# Altium PCB esp_ethernet_can_ir_relay.PcbDoc (part 1 of 2) (continued)
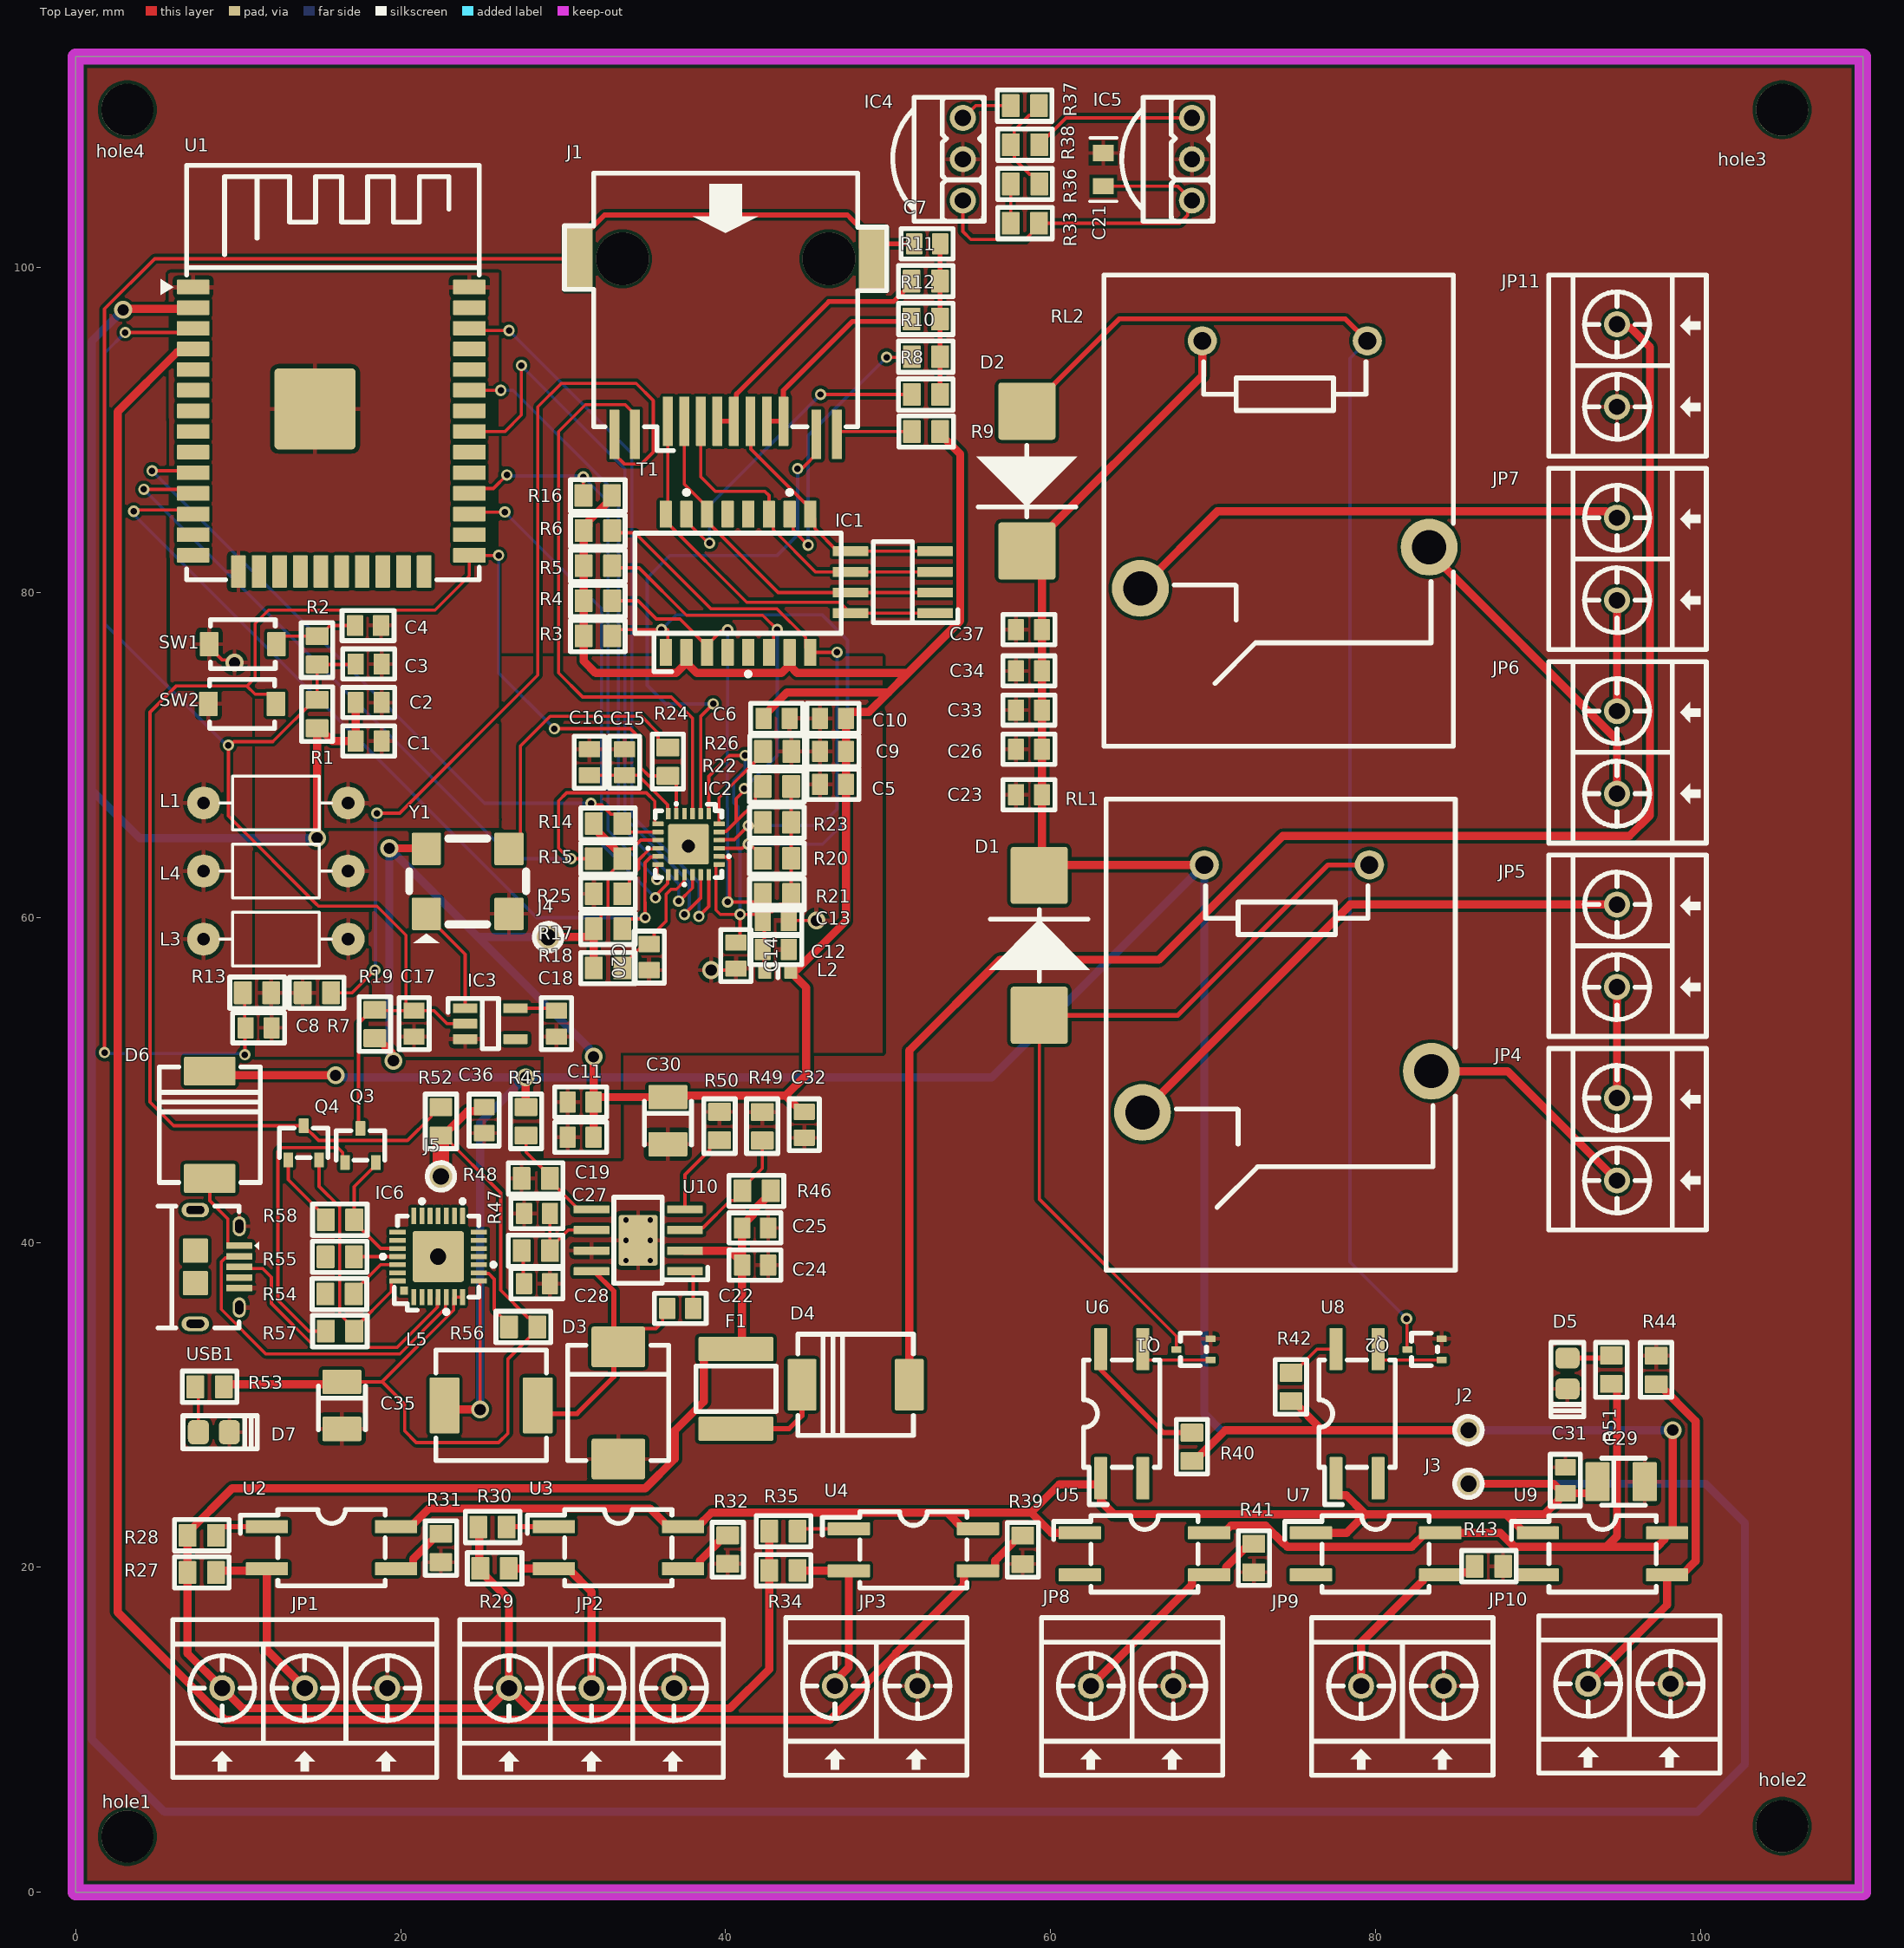
[diagram p0: Top Layer view]
## Footprints (in the part's own frame and the unit in brackets; to place one, negate y for a bottom-side part, rotate by r counter-clockwise, add the part's x,y. Pads: shape width x height; smd on the part's side, far side on the other; paste and mask are expansions set on the pad)
"2# B560C" [mm] "Molded Diode, 2-Leads, Body 6.85x5.90mm, IPC Medium Density"
  rrect10% 2.5x3.3 smd mask+0.15: 1(-3.45,0) 2(3.45,0)
  silkscreen extent -3.55,-3.11 3.56,3.11, body extent -3.77,-3.11 3.77,3.11, height 2.5
"6# DTC143ZKAT146-E" [mm] "SOT-346 SMT3"
  rrect10% 0.6x0.9 smd mask+0.05: 1(0.95,-1.05) 2(-0.95,-1.05) 3(0,1.05)
  silkscreen extent -1.5,-0.9 1.5,0.9, body extent -1.45,-1.4 1.45,1.4, height 1.2
"13# MF-SMDF050" [mm] "style1"
  rrect10% 1.5x4.6 smd mask+0.05: 1(-2.45,0) 2(2.45,0)
  silkscreen extent -1.4,-2.47 1.4,2.47, body extent -2.7,-2.48 2.7,2.43, height 1.05
"21# TPS54360" [mm] "R-PDSO-G8,V Input, 3.5-A, Step-Down DC/DC Converter"
  rrect10% 0.5x2.2 smd mask+0.07: 1(-1.905,-2.875) 2(-0.635,-2.875) 3(0.635,-2.875) 4(1.905,-2.875) 5(1.905,2.875) 6(0.635,2.875) 7(-0.635,2.875) 8(-1.905,2.875)
  round 0.33 hole 0.33 mask+0.2: 9(-1.25,-0.75) 9(-1.25,0.75) 9(0,0.75) 9(0,-0.75) 9(1.25,-0.75) 9(1.25,0.75)
  rrect10% 3.1x2.4 smd mask+0: 9(0,0)
  silkscreen extent -2.65,-4.27 2.65,1.5, body extent -2.5,-3.1 2.5,3.1, height 1.53
"30# SK56L-TPMSCT-ND" [mil] "SK56L-TPMSCT-ND(DO-214AB)"
  rrect10% 70x125 smd: 1(-130,0) 2(130,0)
  silkscreen extent -140,-122 140,122, body extent -156,-116 157,116, height 87
ASPI-7318-8R2M-TCT-ND [mm] "8.2µH Shielded Wirewound Inductor 4A 68 mOhm Max Nonstandard"
  rrect10% 1.85x3.45 smd: 1(-2.875,0) 2(2.875,0)
  silkscreen extent -3.4,-3.4 3.4,3.4, body extent -3.65,-3.4 3.65,3.4, height 3
"BD5228G -5SSOP" [mm] "IC DETECTOR VOLT 2.8V ODRN 5SSOP"
  rrect10% 0.6x1.5 smd: 1(-0.95,-1.55) 2(0,-1.55) 3(0.95,-1.55) 4(0.95,1.55) 5(-0.95,1.55)
  silkscreen extent -1.55,-2.6 1.55,0.5, body extent -1.5,-1.4 1.45,1.4, height 1.1
"Button 3x4mm" [mm] "SMD 3x4mm"
  rrect10% 1.143x1.5 smd: 1(-2.075,0) 2(2.075,0)
  silkscreen extent -2,-1.5 2,1.5, body extent -2.25,-1.55 2.25,1.55, height 2.05
C0805 [mm] "Chip Resistor; Body 2.0 x 1.3 mm (LxW typ)"
  rect 1x1.27 smd: 1(-1.016,0) 2(1.016,0)
  silkscreen extent -1.96,-0.84 1.96,0.84, body extent -1,-0.62 1,0.63, height 0.78
"CAP TANT CASE B SMD" [mm]
  rrect10% 1.5x2.4 smd mask+0.1: 1(-1.45,0) 2(1.45,0)
  silkscreen extent -1.2,-1.45 1.5,1.45, body extent -1.75,-1.4 1.75,1.4, height 2
CAP_CERA_C2012(CC0805INCH) [mm] "Chip Capacitor, 2-Leads, Body 2.0x1.3mm, IPC Medium Density"
  rrect10% 1x1.3 smd: 1(-0.8,0) 2(0.8,0)
  silkscreen extent -1.6,-0.93 1.6,0.93, body extent -1,-0.6 1,0.6, height 0.95
CP2102-QFN28 [mm] "QFN28 5x5 pitch 0.5"
  rrect10% 0.3x1 smd mask+0.05: 1(-1.5,-2.5) 2(-1,-2.5) 3(-0.5,-2.5) 4(0,-2.5) 5(0.5,-2.5) 6(1,-2.5) 7(1.5,-2.5) 15(1.5,2.5) 16(1,2.5) 17(0.5,2.5) 18(0,2.5) 19(-0.5,2.5) 20(-1,2.5) 21(-1.5,2.5)
  rrect10% 1x0.3 smd mask+0.05: 8(2.5,-1.5) 9(2.5,-1) 10(2.5,-0.5) 11(2.5,0) 12(2.5,0.5) 13(2.5,1) 14(2.5,1.5) 22(-2.5,1.5) 23(-2.5,1) 24(-2.5,0.5) 25(-2.5,0) 26(-2.5,-0.5) 27(-2.5,-1) 28(-2.5,-1.5)
  round 1.4 hole 1 mask+0.2: 29(0,0)
  rrect10% 3.15x3.15 smd mask+0.05: 29(0,0)
  rrect10% 0.5x0.5 smd mask+0.05: ""(-2.1,-2.1)
  silkscreen extent -3.5,-3.5 3.5,3.5, body extent -2.5,-2.5 2.5,2.5, height 1
CR_ASV_50.000MHZ [mm] "50MHz XO (Standard) HCMOS Oscillator 3.3V Enable/Disable 4-SMD, No Lead"
  rrect10% 1.8x2 smd: 1(-2.54,-2) 2(2.54,-2) 3(2.54,2) 4(-2.54,2)
  silkscreen extent -3.6,-3.8 3.6,2.64, body extent -3.5,-2.5 3.5,2.58, height 1.8
DOMINO_OSTTC_2P [mm] "15A PIN TO PIN 5.08MM ED2609-ND"
  round 1.6 hole 1 mask+0.1: 1(-2.54,0) 2(2.54,0)
  silkscreen extent -5.58,-4.2 5.58,5.5, body extent -5.42,-3.75 5.34,5.25, height 12.5
DOMINO_OSTTC_3P [mm] "15A PIN TO PIN 5.08MM ED2610-ND"
  round 1.6 hole 1 mask+0.1: 1(-5.08,0) 2(0,0) 3(5.08,0)
  silkscreen extent -8.12,-4.2 8.12,5.5, body extent -7.96,-3.75 7.88,5.25, height 12.5
"ESP32 WROOM" [mm] "ESP32 WROOM"
  rrect10% 2x0.9 smd: 1(0,0) 2(0,-1.27) 3(0,-2.54) 4(0,-3.81) 5(0,-5.08) 6(0,-6.35) 7(0,-7.62) 8(0,-8.89) 9(0,-10.16) 10(0,-11.43) 11(0,-12.7) 12(0,-13.97) 13(0,-15.24) 14(0,-16.51) 25(17,-16.51) 26(17,-15.24) 27(17,-13.97) 28(17,-12.7) 29(17,-11.43) 30(17,-10.16) 31(17,-8.89) 32(17,-7.62) 33(17,-6.35) 34(17,-5.08) 35(17,-3.81) 36(17,-2.54) 37(17,-1.27) 38(17,0)
  rrect10% 0.9x2 smd: 15(2.785,-17.51) 16(4.055,-17.51) 17(5.325,-17.51) 18(6.595,-17.51) 19(7.865,-17.51) 20(9.135,-17.51) 21(10.405,-17.51) 22(11.675,-17.51) 23(12.945,-17.51) 24(14.215,-17.51)
  rrect10% 5x5 smd: 39(7.5,-7.5)
  silkscreen extent -2,-18.02 17.6,7.49, body extent -0.54,-18.02 17.54,7.52, height 3
HX1198FNL [mm] "PULSE XFMR 1CT:1CT TX 1CT:1CT RX"
  rrect10% 0.76x1.65 smd mask+0.1: 1(0,0) 2(1.27,0) 3(2.54,0) 4(3.81,0) 5(5.08,0) 6(6.35,0) 7(7.62,0) 8(8.89,0) 9(8.89,8.51) 10(7.62,8.51) 11(6.35,8.51) 12(5.08,8.51) 13(3.81,8.51) 14(2.54,8.51) 15(1.27,8.51) 16(0,8.51)
  silkscreen extent -1.91,-1.36 10.79,9.87, body extent -1.92,-0.39 10.78,8.93, height 5.95
L/0.4 [mil] "Inductor , 2 Pin, L 350mil, W 150 mil"
  round 80 hole 31: 1(0,0) 2(350,0)
  silkscreen extent 40,-65 310,65
"LAN8720A 24QFN" [mm] "IC TXRX ETHERNET 24QFN"
  rrect10% 0.28x0.69 smd paste+0 mask+0.05: 1(0,0) 2(0.5,0) 3(1,0) 4(1.5,0) 5(2,0) 6(2.5,0) 13(2.5,3.765) 14(2,3.765) 15(1.5,3.765) 16(1,3.765) 17(0.5,3.765) 18(0,3.765)
  rrect10% 0.69x0.28 smd mask+0.05: 7(3.133,0.633) 8(3.133,1.132) 9(3.133,1.633) 10(3.133,2.133) 11(3.133,2.633) 12(3.133,3.133) 19(-0.633,3.133) 20(-0.633,2.633) 21(-0.633,2.133) 22(-0.633,1.633) 23(-0.633,1.132) 24(-0.633,0.633)
  rrect10% 2.5x2.5 smd: 25(1.25,1.882)
  silkscreen extent -1.25,-0.62 3.75,4.38, body extent -0.76,-0.13 3.26,3.89, height 0.9
"Led 0805G" [mm] "Chip LED; Green; Body 2.0 x 1.3 mm (LxW typ)"
  rrect50% 1.3x1.5 smd: 1(-0.95,0) 2(0.95,0)
  silkscreen extent -1.91,-1.02 2.67,1.02, body extent -1.04,-0.62 0.98,0.62, height 1.1
"MCH3209-TL-E  SOT-323" [mm] "TRANS NPN 30V 3A MCPH3  SOT-323"
  rrect10% 0.4x0.6 smd mask+0.1: 1(-0.65,-1.05) 2(0.65,-1.05) 3(0,1.05)
  silkscreen extent -1,-0.8 1.1,0.8, body extent -1.05,-1.15 1.05,1.15, height 0.9
MPZ1608B471 [mm] "FERRITE BEAD 470 OHM 0603 1LN"
  rrect5% 0.8x0.8 smd mask+0.1: 1(-0.8,0) 2(0.8,0)
  silkscreen extent 0,-0.35 0,0.35, body extent -0.8,-0.4 0.8,0.4, height 0.6
"Relay T9GV1L14-5 30A 5V" [mm] "Relay T9GV1L14-5 30A 5V CODE FORM C"
  round 1.8 hole 1.1: 1(5.08,-11.43) 2(-5.08,-11.43)
  round 3.5 hole 2.1: 3(-8.89,1.27) 4(8.89,3.81)
  silkscreen extent -10.37,-15.47 11.13,13.53, body extent -10.37,-15.47 11.13,13.53, height 15.7
"Res 0805 SMD" [mm] "Reflow Soldering"
  rrect10% 1.1x1.4 smd mask+0.1: 1(-0.875,0) 2(0.875,0)
  silkscreen extent -1.69,-0.97 1.67,0.96, body extent -1,-0.62 1,0.63, height 0.62
RJ45-A121555CT-ND [mm] "CONN MOD JACK 8P8C R/A SHIELDED"
  rrect10% 0.61x3.05 smd mask+0.1: 1(0,0) 2(-1.016,0) 3(-2.032,0) 4(-3.048,0) 5(-4.064,0) 6(-5.08,0) 7(-6.096,0) 8(-7.112,0) A1(2.024,0.8) A2(-10.406,0.8) K1(3.294,0.8) K2(-9.136,0.8)
  rrect10% 1.7x3.9 smd: 9(-12.606,-10) 10(5.494,-10)
  silkscreen extent -13.48,-15.28 6.36,1.8, body extent -13.06,-15.28 5.8,1.25, height 14.62
"Screw 3.0"#1 [mm] "Hole 3.2mm outline 8mm"
  round 3.2 hole 3.2 mask+0.1: 1(0,0)
"Screw 3.0"#2 [mm] "Hole 3.2mm outline 8mm"
  round 3.2 hole 3.2 mask+0.1: 1(-0.762,-1.905)
"SLVU2.8-4.TBT - 8S0" [mm] "TVS DIODE 2.8V 15V 8SO"
  rrect10% 0.6x2.2 smd mask+0.1: 1(-1.905,-2.6) 2(-0.635,-2.6) 3(0.635,-2.6) 4(1.905,-2.6) 5(1.905,2.6) 6(0.635,2.6) 7(-0.635,2.6) 8(-1.905,2.6)
  silkscreen extent -2.5,-4 2.5,1.2, body extent -2.6,-3 2.4,3, height 3.23
SSC53L-E3/57T [mm] "DIODE SCHOTTKY 30V 5A DO214AB"
  rrect10% 3.52x3.52 smd mask+0.1: 1(-4.305,0) 2(4.305,0)
  silkscreen extent -2.2,-3.1 2.2,3.1, body extent -4.07,-3.05 4.06,3.05, height 2.4
"TEST POINT 1mm" [mm]
  round 1.5 hole 1 mask+0.1: 1(0,0)
  silkscreen extent -0.85,-0.85 0.85,0.85
TPC817-4SOP [mm] "OPTOISO 5KV TRANS 4SOP"
  rrect10% 2.6x0.8 smd: 1(-3.975,1.295) 2(-3.975,-1.295) 3(3.975,-1.295) 4(3.975,1.295)
  silkscreen extent -5.6,-2.35 3.3,2.35, body extent -3.5,-1.92 3.5,1.93, height 2
TSOP1838 [mm] "Connector DIP, 3Pin_2.54mm"
  round 1.6 hole 1 mask+0.1: 1(2.54,0) 2(0,0) 3(-2.54,0)
  silkscreen extent -3.81,-4.32 3.81,1.3, body extent -3,-4.05 3,1.55, height 8.95
"USB_MICRO_B - Digikey" [mm] "USB_MICRO_B, 609-4618-1-ND"
  rrect10% 0.4x1.6 smd: 1(0,0) 2(0.65,0) 3(1.3,0) 4(1.95,0) 5(2.6,0)
  oval 1.25x0.8 hole 0.85 slot 0.5 at 90 deg: 6(-1.2,0) 7(3.8,0)
  oval 0.9x1.7 hole 0.5 slot 1.1 at 90 deg: 8(-2.2,-2.7) 9(4.8,-2.7)
  rrect10% 1.5x1.55 smd: ""(0.3,-2.7) ""(2.3,-2.7)
  silkscreen extent -2.45,-5 5.05,1.22, body extent -2.45,-5 5.05,0.29, height 2.61

## Part data
C1: library part 0.1uF/50V/C0603/10%, "22µF ±20% 25V Ceramic Capacitor X5R 0805 (2012 Metric)", Manufacturer="Tariff Applied", ComponentLink1Description=http://www.murata.com/~/media/webrenewal/support/library/catalog/products/capacitor/mlcc/c02e.ashx, ComponentLink1URL=http://www.murata.com/~/media/webrenewal/support/library/catalog/products/capacitor/mlcc/c02e.ashx, Digikey=1276-2908-1-ND
C2 C3 C4 C37: library part 0.1uF/50V/C0603/10%, "0.1µF ±10% 25V Ceramic Capacitor X7R 0805 (2012 Metric)", ComponentLink1Description=http://www.murata.com/~/media/webrenewal/support/library/catalog/products/capacitor/mlcc/c02e.ashx, ComponentLink1URL=http://www.murata.com/~/media/webrenewal/support/library/catalog/products/capacitor/mlcc/c02e.ashx, Digikey=478-3755-1-ND
C5 C6 C11 C13 C14 C18 C19: library part "CAP CERA 0805", "0.1µF ±10% 25V Ceramic Capacitor X7R 0805 (2012 Metric)", Digikey=478-3755-1-ND
C7: library part "CAP CERA 0805", "1000pF ±10% 25V Ceramic Capacitor X7R 0805 (2012 Metric)", Manufacturrer="Wurth Electronics Inc.", Digikey=732-8050-1-ND
C8: library part "CAP CERA 0805", "4700pF ±10% 25V Ceramic Capacitor X7R 0805 (2012 Metric)", Manufacturrer=KEMET, Digikey=399-14606-1-ND
C9 C10 C12: library part "CAP CERA 0805", "22µF ±20% 25V Ceramic Capacitor X5R 0805 (2012 Metric)", Digikey=1276-2908-1-ND
C15 C17 C20: library part "CAP CERA 0805", "4.7µF ±10% 25V Ceramic Capacitor X5R 0805 (2012 Metric)", Digikey=399-5505-1-ND
C16: library part "CAP CERA 0805", "1nF=1000pF ±10% 25V Ceramic Capacitor X7R 0805 (2012 Metric)", Digikey=399-7994-1-ND
C21: "Polarized Capacitor (Radial)", LatestRevisionDate=17-Jul-2002, LatestRevisionNote="Re-released for DXP Platform.", PackageDescription="Polarized Capacitor (Radial); 2 Leads", PackageReference=RB7.6-15, Published=8-Jun-2000, Publisher="Altium Limited"
C22 C31 C32 C33 C34: library part 0.1uF/50V/C0603/10%, "0.1µF ±10% 25V Ceramic Capacitor X7R 0805 (2012 Metric)", Manufacturer="AVX Corporation", ComponentLink1Description=http://www.murata.com/~/media/webrenewal/support/library/catalog/products/capacitor/mlcc/c02e.ashx, ComponentLink1URL=http://www.murata.com/~/media/webrenewal/support/library/catalog/products/capacitor/mlcc/c02e.ashx, Digikey=478-3755-1-ND
C23 C26: library part 0.1uF/50V/C0603/10%, "47µF ±20% 10V Ceramic Capacitor X5R 0805 (2012 Metric)", Manufacturer=Murata, ComponentLink1Description=http://www.murata.com/~/media/webrenewal/support/library/catalog/products/capacitor/mlcc/c02e.ashx, ComponentLink1URL=http://www.murata.com/~/media/webrenewal/support/library/catalog/products/capacitor/mlcc/c02e.ashx, Digikey=490-9961-1-ND
C24 C25: library part 1uF/50V/C0603/10%, "2.2µF ±10% 50V Ceramic Capacitor JB 0805 (2012 Metric)", Manufacturer=TDK, ComponentLink1Description=http://www.samsungsem.com/kr/support/product-search/mlcc/CL21B105KBFNNNE.jsp, ComponentLink1URL=http://www.samsungsem.com/kr/support/product-search/mlcc/CL21B105KBFNNNE.jsp, Digikey=445-11501-1-ND
C27: library part 56pF/50V/C0603/5%, "39pF ±10% 50V Ceramic Capacitor C0G, NP0 0805 (2012 Metric)", Manufacturer=KEMET, Digikey=399-9232-1-ND
C28: library part 10nF/50V/C0603/10%, "6800pF ±10% 25V Ceramic Capacitor X7R 0805 (2012 Metric)", Manufacturer="Wurth Electronics Inc.", ComponentLink1Description=http://www.murata.com/~/media/webrenewal/support/library/catalog/products/capacitor/mlcc/c02e.ashx, ComponentLink1URL=http://www.murata.com/~/media/webrenewal/support/library/catalog/products/capacitor/mlcc/c02e.ashx, Digikey=732-8054-1-ND
C29 C30 C35: library part TAJB106M025RNJ, "10µF Molded Tantalum Capacitors 25V 1411 (3528 Metric) 3 Ohm", Manufacturer=KEMET, Digikey=399-5125-1-ND
C36: library part 0.1uF/50V/C0603/10%, "0.1µF ±10% 25V Ceramic Capacitor X7R 0805 (2012 Metric)", Manufacturer=KEMET, ComponentLink1Description=http://www.murata.com/~/media/webrenewal/support/library/catalog/products/capacitor/mlcc/c02e.ashx, ComponentLink1URL=http://www.murata.com/~/media/webrenewal/support/library/catalog/products/capacitor/mlcc/c02e.ashx, Digikey=478-3755-1-ND
D1 D2: library part 10A10, "DIODE SCHOTTKY 30V 5A DO214AB", ComponentLink1Description=Datasheet, ComponentLink1URL="D:\Dropbox\Datasheets\Diodes and Rectifiers\Diodes\10AXX.pdf", Digikey=SSC53L-E3/57TGICT-ND
D3: library part 2#B560C-13-F, "DIODE SCHOTTKY 60V 5A SMC", Digikey=B560C-FDICT-ND
D4 D6: library part "30# SK56L-TP", "DIODE SCHOTTKY 60V 5A DO214AB", ComponentLink1Description=http://www.mccsemi.com/up_pdf/SK52L-SK510L(DO-214AB).PDF, ComponentLink1URL=http://www.mccsemi.com/up_pdf/SK52L-SK510L(DO-214AB).PDF, Digikey=SK56L-TPMSCT-ND
D5 D7: library part "LED GREEN 0603", "Green 571nm LED Indication - Discrete 2V 0805 (2012 Metric)", ComponentLink1Description=http://optoelectronics.liteon.com/upload/download/DS22-2000-074/S_110_LTST-C190KGKT.pdf, ComponentLink1URL=http://optoelectronics.liteon.com/upload/download/DS22-2000-074/S_110_LTST-C190KGKT.pdf, Digikey=160-1426-1-ND
F1: library part 13#MF-SMDF050-2, "PTC RESET FUSE 60V 550MA 2018", Digikey=MF-SMDF050-2CT-ND
IC1: library part SLVU2.8-4.TBT, "TVS DIODE 2.8V 15V 8SO, EPD TVS Diode Array For ESD and Latch-Up Protection", Digikey=SLVU2.8-4CT-ND
IC2: "IC TXRX ETHERNET 24QFN,  2/2 Transceiver Full RMII 24-QFN (4x4)", Digikey=LAN8720A-CP-CT-ND
IC3: library part BD5228G-5SSOP, "IC DETECTOR VOLT 2.8V ODRN 5SSOP", Digikey=BD5228GCT-ND
IC6: library part CP2102, "USB Bridge, USB to UART USB 2.0 UART Interface 28-QFN (5x5)", Digikey=336-3694-ND, VNBuy=https://banlinhkien.vn/goods-2607-cp2102-qfn28.html
J1: library part RJ45-2-6339191-1, "Jack Modular Connector 8p8c (RJ45, Ethernet) 90° Angle (Right) Shielded, EMI Finger Cat5", Digikey=A121555CT-ND
J2 J3 J4 J5: library part "PAD 1mm", "TPoint"
JP1 JP2: library part Con3, "3 Position Wire to Board Terminal Block Horizontal with Board 0.200\" (5.08mm) Through Hole", Digikey=ED2610-ND
JP3 JP4 JP5 JP6 JP7 JP8 JP9 JP10 JP11: library part Con2, "2 Position Wire to Board Terminal Block Horizontal with Board 0.200\" (5.08mm) Through Hole", Digikey=ED2609-ND
L1 L3 L4: library part L1, "Inductor"
L2: library part L1, "FERRITE BEAD 470 OHM 0603 1LN", Digikey=445-5218-1-ND
L5: library part Inductor, "8.2µH Shielded Wirewound Inductor 4A 68 mOhm Max Nonstandard", Digikey=ASPI-7318-8R2M-TCT-ND
Q1 Q2: library part 2SC1815, "Bipolar (BJT) Transistor NPN 30V 3A 450MHz 800mW Surface Mount 3-MCPH", ComponentLink1Description=Datasheet, ComponentLink1URL="D:\Dropbox\Datasheets\Transistors\P Channel Bipolar\2SC1815.pdf", Digikey=MCH3209-TL-EOSCT-ND
Q3 Q4: library part 6#DTC143ZKAT146, "Pre-Biased Bipolar Transistor (BJT) NPN - Pre-Biased 50V 100mA 250MHz 200mW Surface Mount SMT3", Digikey=DTC143ZKAT146CT-ND
R1 R52: library part 200K/R0603/1%, "10 kOhms ±1% 0.125W, 1/8W Chip Resistor 0805 (2012 Metric) Thick Film", Operating Temperature="-55°C ~ 155°C", Package / Case="0603 (1608 Metric)", Power (Watts)="0.1W, 1/10W", Supplier Device Package=0603, Category=Resistors, ComponentLink1Description=http://www.yageo.com/documents/recent/PYu-RC_Group_51_RoHS_L_7.pdf, ComponentLink1URL=http://www.yageo.com/documents/recent/PYu-RC_Group_51_RoHS_L_7.pdf, Digikey=A126332CT-ND, Failure Rate=-, Features="Moisture Resistant", Height - Seated (Max)="0.022\" (0.55mm)", Part Status=Active, RoHS="RoHS Compliant", Size / Dimension="0.063\" L x 0.031\" W (1.60mm x 0.80mm)"
R2: library part 200K/R0603/1%, "0 Ohms Jumper 0.125W, 1/8W Chip Resistor 0805 (2012 Metric) Automotive AEC-Q200 Thick Film", ComponentLink1Description=http://www.yageo.com/documents/recent/PYu-RC_Group_51_RoHS_L_7.pdf, ComponentLink1URL=http://www.yageo.com/documents/recent/PYu-RC_Group_51_RoHS_L_7.pdf, Digikey=541-0.0ACT-ND, Failure Rate=-, Height - Seated (Max)="0.022\" (0.55mm)", Part Status=Active
R3 R4 R5 R6 R20 R21 R22 R23: library part RES-0805, "49.9 Ohms ±1% 0.15W Chip Resistor 0805 (2012 Metric) Military Thick Film", ComponentLink1Description=http://www.yageo.com/documents/recent/PYu-RC_Group_51_RoHS_L_8.pdf, ComponentLink1URL=http://www.yageo.com/documents/recent/PYu-RC_Group_51_RoHS_L_8.pdf, Digikey=1135-1012-1-ND
R7 R8 R9 R10 R11 R12: library part RES-0805, "75 Ohms ±1% 0.125W, 1/8W Chip Resistor 0805 (2012 Metric) Automotive AEC-Q200 Thick Film", ComponentLink1Description=http://www.yageo.com/documents/recent/PYu-RC_Group_51_RoHS_L_8.pdf, ComponentLink1URL=http://www.yageo.com/documents/recent/PYu-RC_Group_51_RoHS_L_8.pdf, Digikey=P75.0CCT-ND
R13: library part RES-0805, "1 MOhms ±1% 0.125W, 1/8W Chip Resistor 0805 (2012 Metric) Automotive AEC-Q200 Thick Film", ComponentLink1Description=http://www.yageo.com/documents/recent/PYu-RC_Group_51_RoHS_L_8.pdf, ComponentLink1URL=http://www.yageo.com/documents/recent/PYu-RC_Group_51_RoHS_L_8.pdf, Digikey=P1.00MCCT-ND
R14 R15 R16 R17 R18 R19 R25: library part RES-0805, "RES SMD 249K OHM 1% 1/10W 0805", Manufacturer=Yageo, Manufacturer Part Number=RC0603FR-07249KL, Operating Temperature="-55°C ~ 155°C", Package / Case="0603 (1608 Metric)", Power (Watts)="0.1W, 1/10W", Supplier Device Package=0603, Temperature Coefficient=±100ppm/°C, Tolerance=±1%, Category=Resistors, ComponentLink1Description=http://www.yageo.com/documents/recent/PYu-RC_Group_51_RoHS_L_8.pdf, ComponentLink1URL=http://www.yageo.com/documents/recent/PYu-RC_Group_51_RoHS_L_8.pdf, Composition="Thick Film", Failure Rate=-, Features="Moisture Resistant", Height - Seated (Max)="0.022\" (0.55mm)", Packaging="Cut Tape (CT)", Part Status=Active, Pricing 1="1=0.1, 10=0.015, 100=0.006, 1000=0.00268, 2500=0.00233 (USD)", RoHS="RoHS Compliant", Size / Dimension="0.063\" L x 0.032\" W (1.60mm x 0.80mm)", Stock 1=370515, Supplier 1=Digi-Key
R24: library part RES-0805, "27 Ohms ±1% 0.125W, 1/8W Chip Resistor 0805 (2012 Metric) Automotive AEC-Q200 Thick Fil", ComponentLink1Description=http://www.yageo.com/documents/recent/PYu-RC_Group_51_RoHS_L_8.pdf, ComponentLink1URL=http://www.yageo.com/documents/recent/PYu-RC_Group_51_RoHS_L_8.pdf, Digikey=P27.0CCT-ND
R26: library part RES-0805, "12.1 kOhms ±1% 0.125W, 1/8W Chip Resistor 0805 (2012 Metric) Automotive AEC-Q200 Thick Film", ComponentLink1Description=http://www.yageo.com/documents/recent/PYu-RC_Group_51_RoHS_L_8.pdf, ComponentLink1URL=http://www.yageo.com/documents/recent/PYu-RC_Group_51_RoHS_L_8.pdf, Digikey=P12.1KCCT-ND
R27 R29 R34: library part 10K/R0603/1%, "RES SMD 10K OHM 1% 1/10W 0603", Manufacturer=Yageo, Manufacturer Part Number=RC0603FR-0710KL, Operating Temperature="-55°C ~ 155°C", Package / Case="0603 (1608 Metric)", Power (Watts)="0.1W, 1/10W", Resistance (Ohms)=10k, Supplier Device Package=0603, Supplier Part Number 1=311-10.0KHRTR-ND, Temperature Coefficient=±100ppm/°C, Tolerance=±1%, Category=Resistors, ComponentLink1Description=http://www.yageo.com/NewPortal/yageodocoutput?fileName=/pdf/R-Chip/PYu-RC_Group_51_RoHS_L_3.pdf, ComponentLink1URL=http://www.yageo.com/NewPortal/yageodocoutput?fileName=/pdf/R-Chip/PYu-RC_Group_51_RoHS_L_3.pdf, Composition="Thick Film", Features="Moisture Resistant", Height="0.022\" (0.55mm)", Number of Terminations=2, Packaging="Tape & Reel (TR)", Pricing 1="5000=0.00167, 10000=0.00145, 25000=0.00128, 50000=0.00117, 125000=0.00115 (USD)", RoHS="RoHS Compliant", Size / Dimension="0.063\" L x 0.031\" W (1.60mm x 0.80mm)", Stock 1=11440000, Supplier 1=Digi-Key
R28 R30 R35: library part 10K/R0603/1%, "1 kOhms ±1% 0.125W, 1/8W Chip Resistor 0805 (2012 Metric) Automotive AEC-Q200 Thick Film", Operating Temperature="-55°C ~ 155°C", Package / Case="0603 (1608 Metric)", Power (Watts)="0.1W, 1/10W", Resistance (Ohms)=10k, Supplier Device Package=0603, Category=Resistors, ComponentLink1Description=http://www.yageo.com/NewPortal/yageodocoutput?fileName=/pdf/R-Chip/PYu-RC_Group_51_RoHS_L_3.pdf, ComponentLink1URL=http://www.yageo.com/NewPortal/yageodocoutput?fileName=/pdf/R-Chip/PYu-RC_Group_51_RoHS_L_3.pdf, Digikey=541-1.00KCCT-ND, Features="Moisture Resistant", Height="0.022\" (0.55mm)", Number of Terminations=2, RoHS="RoHS Compliant", Size / Dimension="0.063\" L x 0.031\" W (1.60mm x 0.80mm)"
R31 R32 R33 R36 R37 R38 R39 R40 R41 R42 R43 R44: library part 249K/R0805/1%, "RES SMD 249K OHM 1% 1/10W 0805", Manufacturer=Yageo, Manufacturer Part Number=RC0603FR-07249KL, Operating Temperature="-55°C ~ 155°C", Package / Case="0603 (1608 Metric)", Power (Watts)="0.1W, 1/10W", Supplier Device Package=0603, Temperature Coefficient=±100ppm/°C, Tolerance=±1%, Category=Resistors, ComponentLink1Description=http://www.yageo.com/documents/recent/PYu-RC_Group_51_RoHS_L_8.pdf, ComponentLink1URL=http://www.yageo.com/documents/recent/PYu-RC_Group_51_RoHS_L_8.pdf, Composition="Thick Film", Failure Rate=-, Features="Moisture Resistant", Height - Seated (Max)="0.022\" (0.55mm)", Packaging="Cut Tape (CT)", Part Status=Active, Pricing 1="1=0.1, 10=0.015, 100=0.006, 1000=0.00268, 2500=0.00233 (USD)", RoHS="RoHS Compliant", Size / Dimension="0.063\" L x 0.032\" W (1.60mm x 0.80mm)", Stock 1=370515, Supplier 1=Digi-Key
R45: library part 15K/R0603/1%, "53.6 kOhms ±1% 0.125W, 1/8W Chip Resistor 0805 (2012 Metric) Automotive AEC-Q200 Thick Film", ComponentLink1Description=http://www.yageo.com/NewPortal/yageodocoutput?fileName=/pdf/R-Chip/PYu-RC_Group_51_RoHS_L_3.pdf, ComponentLink1URL=http://www.yageo.com/NewPortal/yageodocoutput?fileName=/pdf/R-Chip/PYu-RC_Group_51_RoHS_L_3.pdf, Digikey=541-53.6KCCT-ND
R46: library part 249K/R0805/1%, "523 kOhms ±1% 0.125W, 1/8W Chip Resistor 0805 (2012 Metric) Automotive AEC-Q200 Thick Film", ComponentLink1Description=http://www.yageo.com/documents/recent/PYu-RC_Group_51_RoHS_L_8.pdf, ComponentLink1URL=http://www.yageo.com/documents/recent/PYu-RC_Group_51_RoHS_L_8.pdf, Digikey=541-523KCCT-ND
R47: library part 15K/R0603/1%, "13 kOhms ±1% 0.125W, 1/8W Chip Resistor 0805 (2012 Metric) Automotive AEC-Q200 Thick Film", ComponentLink1Description=http://www.yageo.com/NewPortal/yageodocoutput?fileName=/pdf/R-Chip/PYu-RC_Group_51_RoHS_L_3.pdf, ComponentLink1URL=http://www.yageo.com/NewPortal/yageodocoutput?fileName=/pdf/R-Chip/PYu-RC_Group_51_RoHS_L_3.pdf, Digikey=541-13.0KCCT-ND
R48: library part 3.3K/R0603/1%, "10.2 kOhms ±1% 0.125W, 1/8W Chip Resistor 0805 (2012 Metric) Automotive AEC-Q200 Thick Film", ComponentLink1Description=http://www.yageo.com/NewPortal/yageodocoutput?fileName=/pdf/R-Chip/PYu-RC_Group_51_RoHS_L_3.pdf, ComponentLink1URL=http://www.yageo.com/NewPortal/yageodocoutput?fileName=/pdf/R-Chip/PYu-RC_Group_51_RoHS_L_3.pdf, Digikey=541-10.0KCCT-ND
R49: library part 34.8K/R0805/1%, "84.5 kOhms ±1% 0.125W, 1/8W Chip Resistor 0805 (2012 Metric) Automotive AEC-Q200 Thick Film", Digikey=541-84.5KCCT-ND
R50: library part 200K/R0603/1%, "162 kOhms ±1% 0.125W, 1/8W Chip Resistor 0805 (2012 Metric) Automotive AEC-Q200 Thick Film", ComponentLink1Description=http://www.yageo.com/documents/recent/PYu-RC_Group_51_RoHS_L_7.pdf, ComponentLink1URL=http://www.yageo.com/documents/recent/PYu-RC_Group_51_RoHS_L_7.pdf, Digikey=541-162KCCT-ND
R51 R53: library part 200K/R0603/1%, "1 kOhms ±1% 0.125W, 1/8W Chip Resistor 0805 (2012 Metric) Automotive AEC-Q200 Thick Film", Operating Temperature="-55°C ~ 155°C", Package / Case="0603 (1608 Metric)", Power (Watts)="0.1W, 1/10W", Supplier Device Package=0603, Category=Resistors, ComponentLink1Description=http://www.yageo.com/documents/recent/PYu-RC_Group_51_RoHS_L_7.pdf, ComponentLink1URL=http://www.yageo.com/documents/recent/PYu-RC_Group_51_RoHS_L_7.pdf, Digikey=541-1.00KCCT-ND, Failure Rate=-, Features="Moisture Resistant", Height - Seated (Max)="0.022\" (0.55mm)", Part Status=Active, RoHS="RoHS Compliant", Size / Dimension="0.063\" L x 0.031\" W (1.60mm x 0.80mm)"
R54 R55: library part 34.8K/R0805/1%, "1 kOhms ±1% 0.125W, 1/8W Chip Resistor 0805 (2012 Metric) Automotive AEC-Q200 Thick Film", Case Code (Imperial)=0603, Case Code (Metric)=1608, Max Operating Temperature=155°C, Min Operating Temperature=-55°C, Power Rating=100mW, Resistance=34.8kR, Voltage Rating=50V, Case/Package=0603, Depth=0.8mm, Digikey=541-1.00KCCT-ND, Height=0.45mm, Lead Free="Lead Free", Length=1.6mm, Military Standard=Not, Termination=SMD/SMT, Voltage Rating (DC)=50V, Width=0.8mm
R56: library part 34.8K/R0805/1%, "4.7 kOhms ±1% 0.125W, 1/8W Chip Resistor 0805 (2012 Metric) Thick Film", Digikey=541-4131-1-ND
R57 R58: library part 34.8K/R0805/1%, "10 kOhms ±1% 0.125W, 1/8W Chip Resistor 0805 (2012 Metric) Thick Film", Case Code (Imperial)=0603, Case Code (Metric)=1608, Max Operating Temperature=155°C, Min Operating Temperature=-55°C, Power Rating=100mW, Resistance=34.8kR, Voltage Rating=50V, Case/Package=0603, Depth=0.8mm, Digikey=A126332CT-ND, Height=0.45mm, Lead Free="Lead Free", Length=1.6mm, Military Standard=Not, Termination=SMD/SMT, Voltage Rating (DC)=50V, Width=0.8mm
RL1 RL2: "General Purpose Relay SPST-NO (1 Form A) 5VDC Coil Through Hole", Digikey=T9GV1L14-5
SW1 SW2: library part SW2, "SWITCH TACTILE SPST-NO 0.05A 12V", Digikey=CKN10384CT-ND
T1: "PULSE XFMR 1CT:1CT TX 1CT:1CT RX", Digikey=553-2209-1-ND
U1: "ESP-WROOM-32 (8MB), WIFI MODULE 64 MBITS SPI FLASH", Digikey=1904-1019-1-ND
U2 U3 U4 U5 U6 U7 U8 U9: library part PC817, "Optoisolator Transistor Output 5000Vrms 1 Channel 4-SOP", Digikey=TPC817S1BRAGCT-ND
  U3 U4: BuyVN=https://banlinhkien.vn/goods-1134-pc817-el817-sop4-opto.html
U10: library part 21#TPS54360DDAR, "Buck, Split Rail Switching Regulator IC Positive Adjustable 0.8V 1 Output 3.5A 8-PowerSOIC (0.154\", 3.90mm Width)", Digikey=296-37676-1-ND
USB1: library part USB_MINI, "USB - micro B USB 2.0 Receptacle Connector 5 Position Surface Mount, Right Angle; Through Hole", BuyVN=https://banlinhkien.vn/goods-5145-microusb-mk5p-dip.html, Digikey=609-4618-1-ND
Y1: library part CRYSTAL_ASV, "50MHz XO (Standard) HCMOS Oscillator 3.3V Enable/Disable 4-SMD, No Lead", ComponentLink1Description=Datasheet, Digikey=535-10087-1-ND

## Free pads (board coordinates)
  round 1.3 hole 0.8 mask+0.1: 2(37.719,64.389)

## Via types
v1: diameter 0.7, hole 0.4, Top Layer to Bottom Layer, 42 vias
v2: diameter 1.1, hole 0.7, Top Layer to Bottom Layer, 12 vias
v3: diameter 3.25, hole 3.25, Top Layer to Bottom Layer, 3 vias

## Nets (pads, with @x,y where several pads share a name; then routed paths per layer and width w, separated by ;. In a path a pad name is that pad's centre, name@x,y a point inside that pad or via, vN(x,y) a via of type N, cw(c..) or ccw(c..) an arc to the next point about the centre after c; other vN are vias at no path point)
3.3V_ESP: C1.2 C2.2 C29.1 C31.2 J3.1 R1.1 U1.2 U2.4 U3.4 U4.4 U5.1 U6.1 U7.1 U8.1 U9.1 | length 358
  Top Layer w0.5: v2(2.921,97.409) 2.988,97.476 7.165,97.476 U1.2@7.232,97.543 ; v2(14.859,64.897) R1.1@14.859,71.656 15.009,71.656 15.799,70.866 C1.2@17.234,70.866 C2.2@17.234,73.237 ; U2.4@19.723,22.504 20.623,22.504 21.748,23.629 35.351,23.629 36.476,22.504 U3.4@37.376,22.504 38.276,22.504 39.147,23.375 53.639,23.375 ; U4.4@55.537,22.377 54.637,22.377 53.639,23.375 ; U5.1@61.811,22.123 60.06,22.123 58.808,23.375 ; U7.1@76.035,22.123 78.225,22.123 79.375,23.273 ; U8.1@77.572,25.489 77.572,24.589 77.722,24.439 78.209,24.439 79.292,23.357 79.375,23.273 ; J3.1@85.725,25.146 90.96,25.146 C31.2@91.544,24.562 ; U9.1@90.005,22.123 89.105,22.123 88.955,22.273 88.955,22.362 88.043,23.273 ; U9.1@90.865,22.123 U9.1@91.015,22.273 ; C29.1@93.673,25.273 93.673,25.062 93.173,24.562 C31.2@91.694,24.562 C31.2@91.544,24.562 ; 53.639,23.375 58.808,23.375 ; 58.808,23.375 60.541,25.108 63.094,25.108 63.094,24.079 63.897,23.276 73.661,23.276 73.664,23.273 79.375,23.273 ; 79.375,23.273 88.043,23.273 ; 88.043,23.273 90.405,23.273 91.294,24.162 91.294,24.312 C31.2@91.544,24.562
  Bottom Layer w0.5: v2(2.921,97.409) 0.978,95.466 0.978,67.856 ; v2@15.092,64.897 3.937,64.897 0.978,67.856 ; J3.1@85.725,25.146 100.33,25.146 102.743,22.733 102.743,7.874 99.822,4.953 5.461,4.953 0.978,9.436 0.978,67.856